# Altium PCB AT91-PCB.PcbDoc (part 1 of 3)
Units mm, origin at the board's own origin, x right, y up, seen from the top; angles counter-clockwise.
Board outline 112.5 x 92.7 mm, 2 copper layers (Top Layer, Bottom Layer), stack 1.671 mm thick; 226 components, 269 nets, 1126 pads, 364 vias.
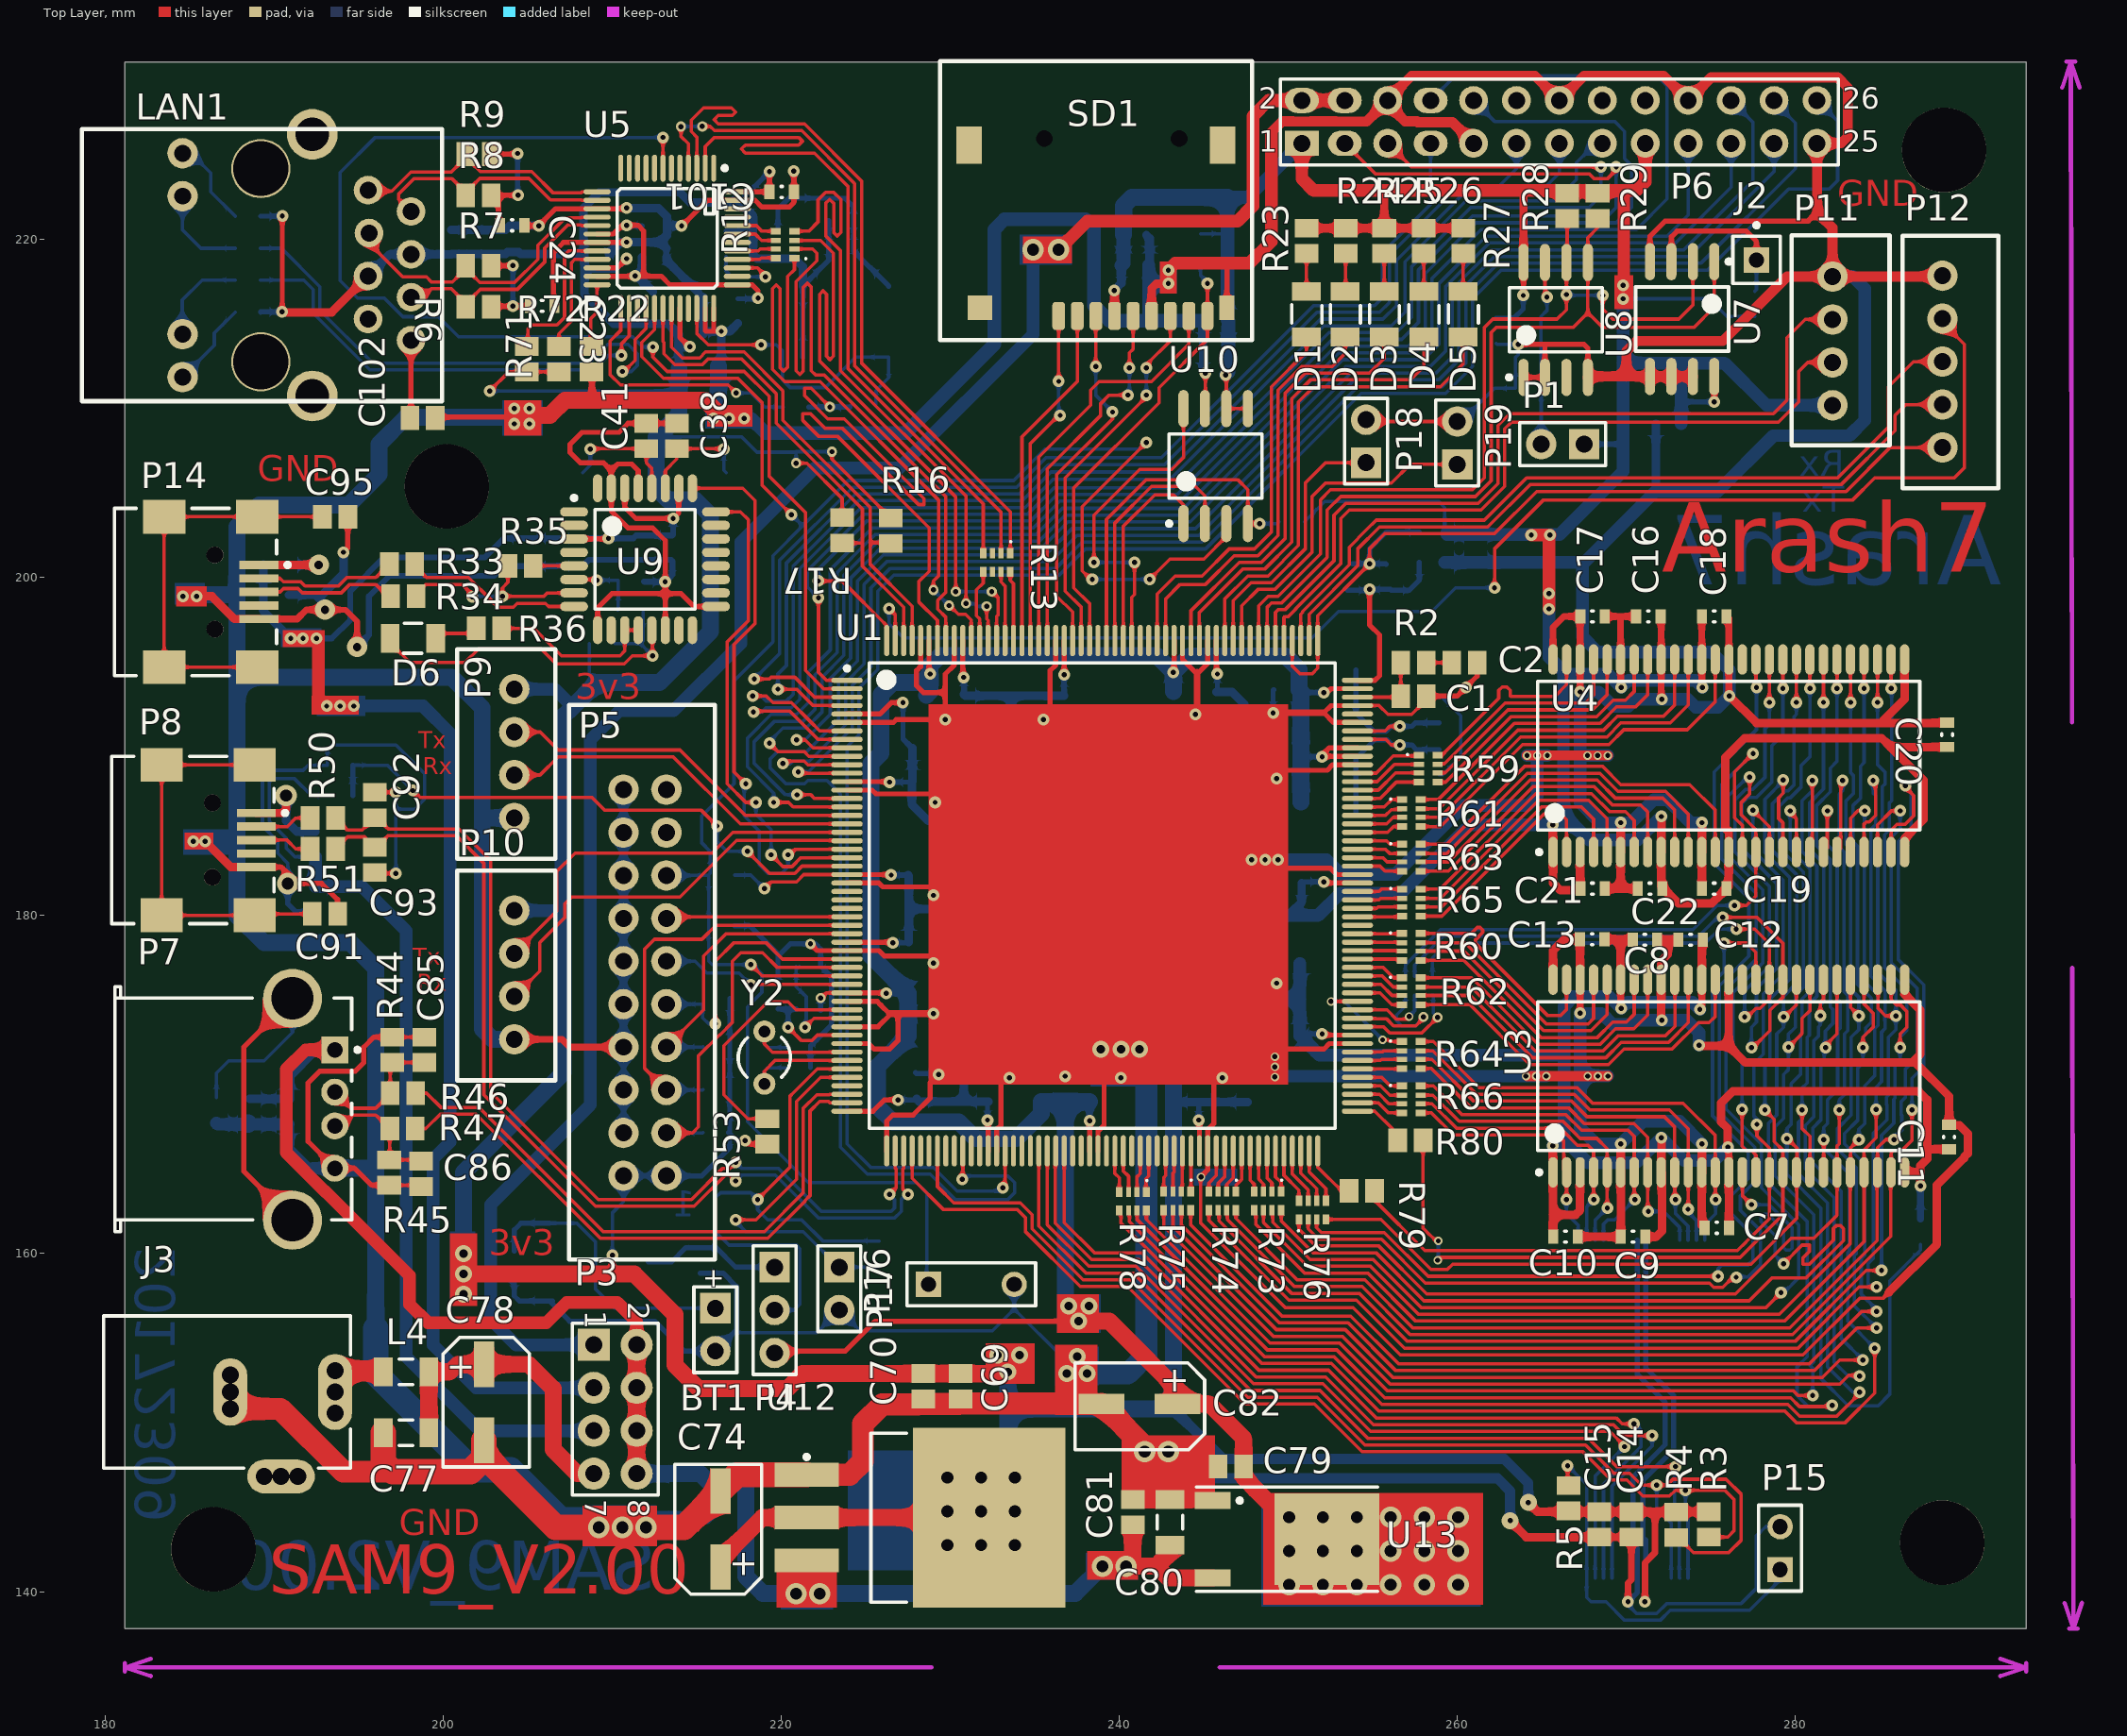
[diagram p0: Top Layer view]
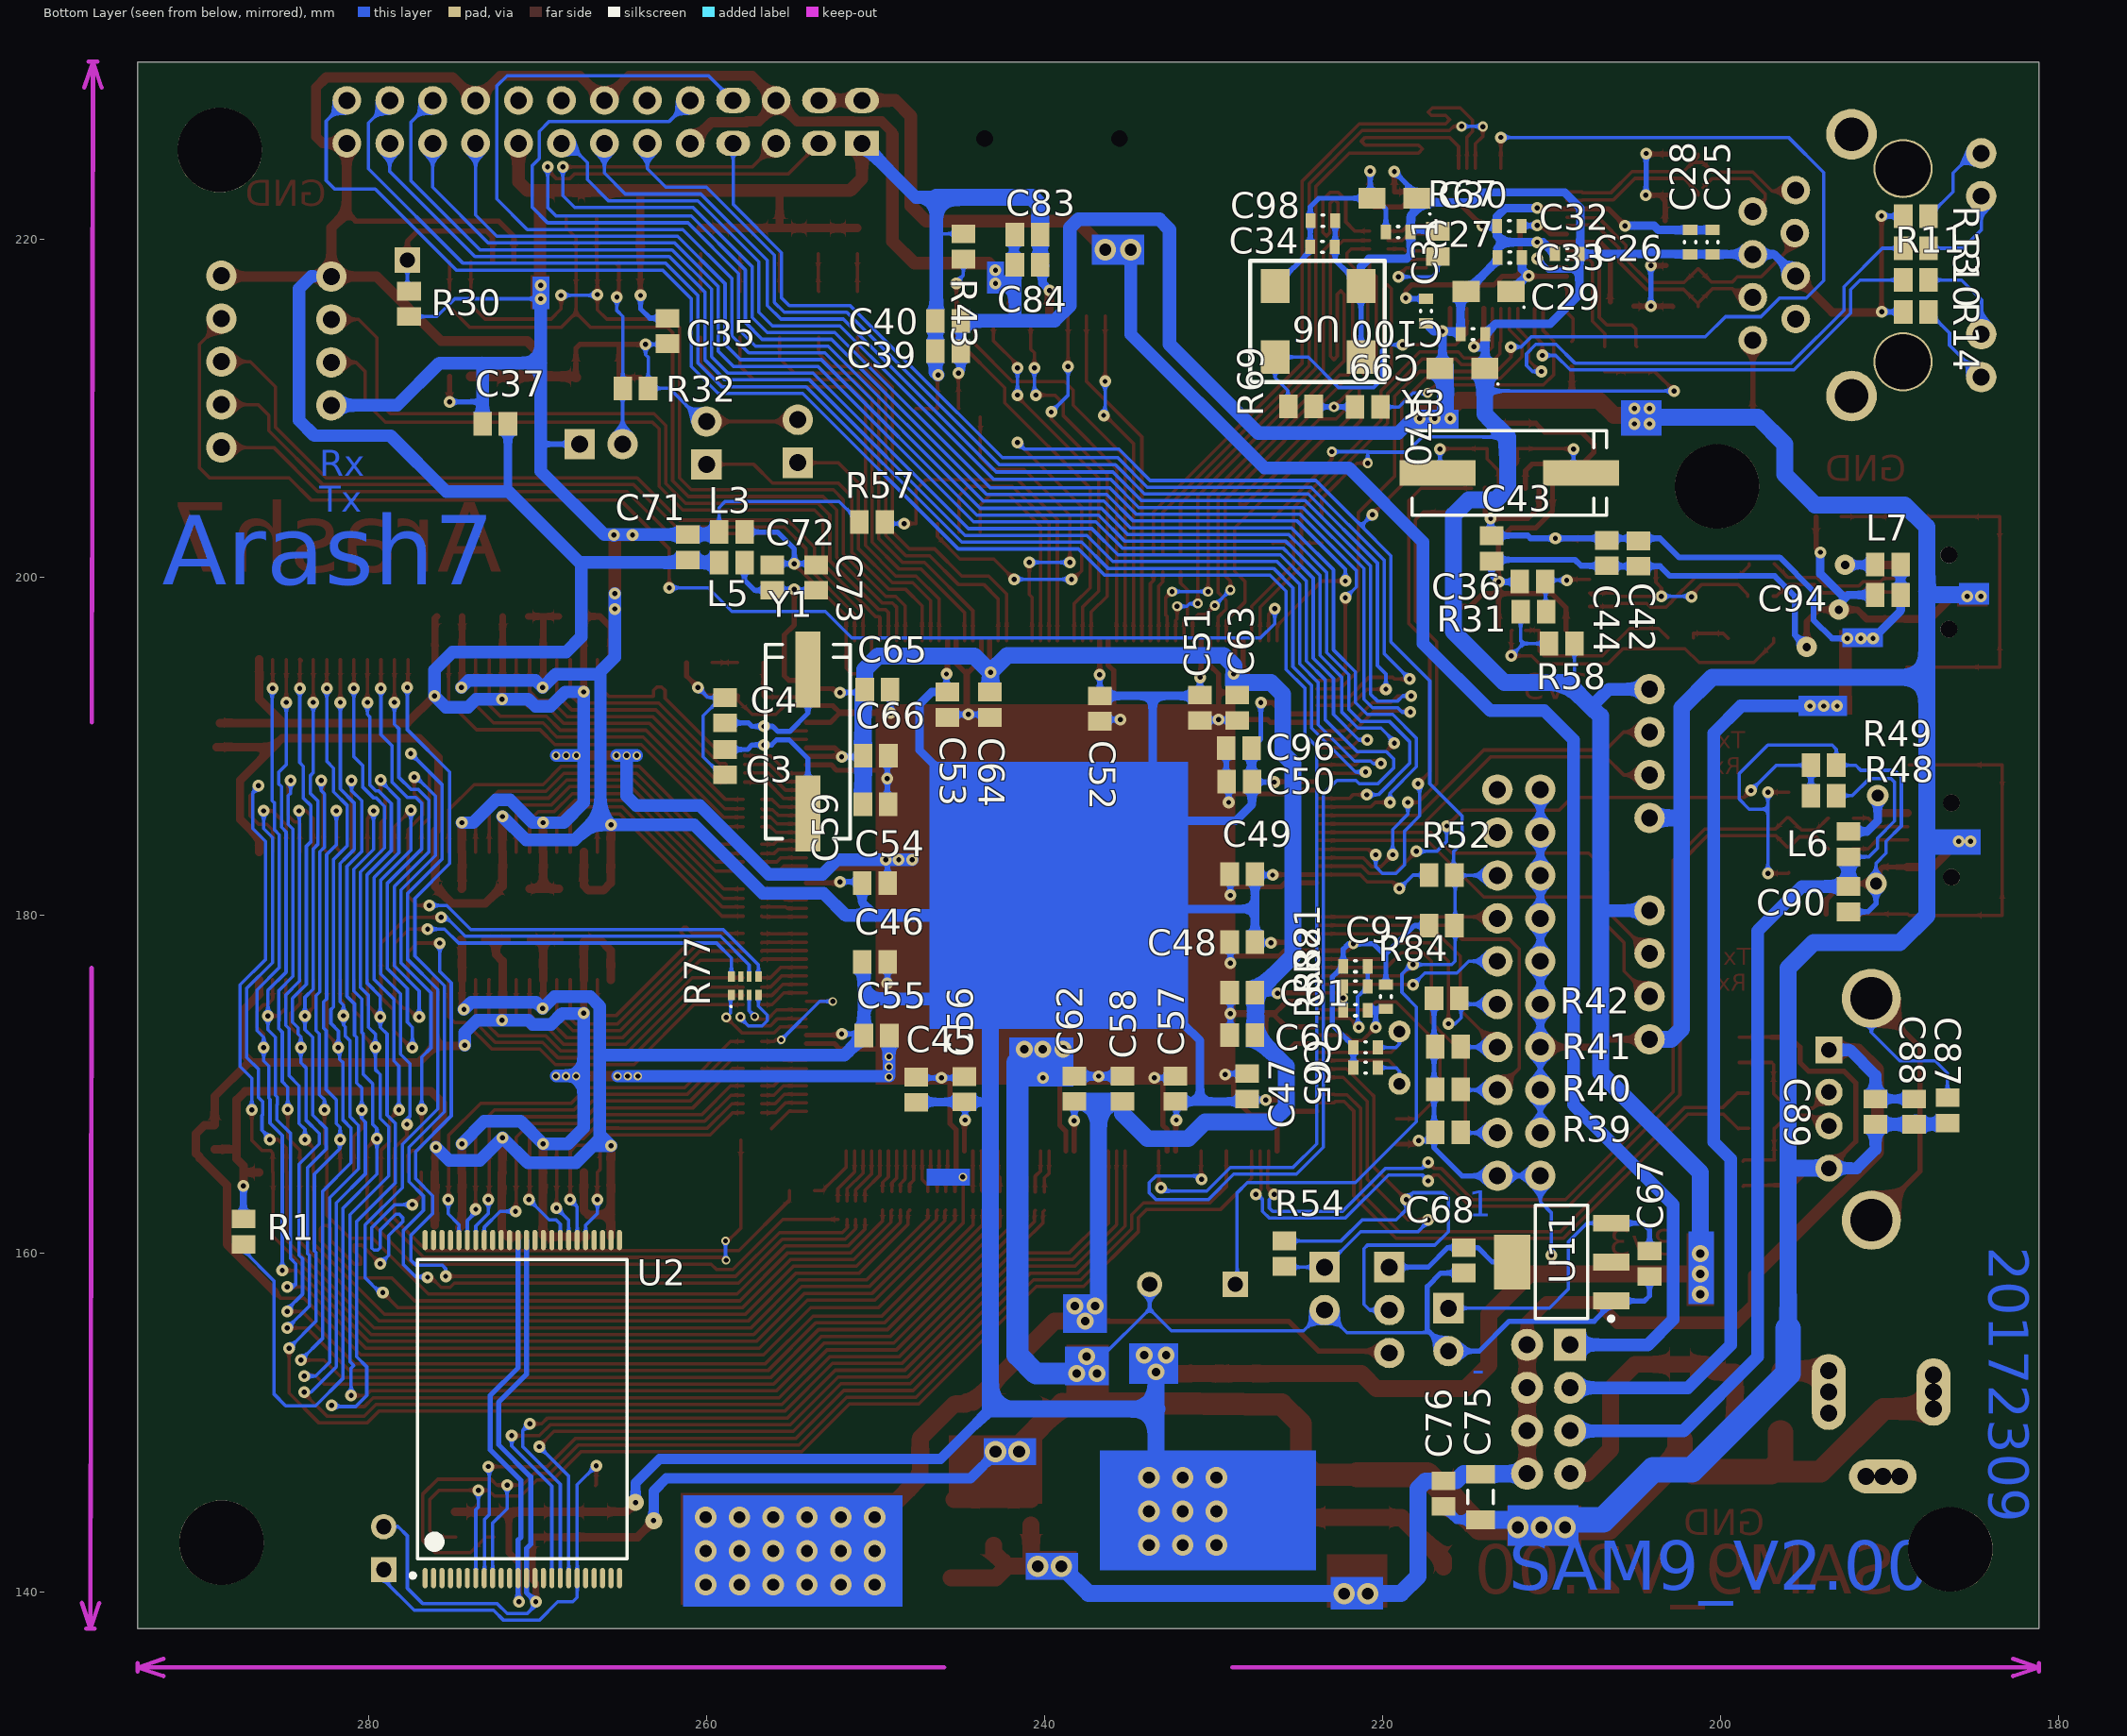
[diagram p1: Bottom Layer view, seen from below]

## Layer stack, top to bottom
Top Solder: solder mask 0.0102, Solder Resist, Dk 3.5
Top Layer: signal copper 0.0356
Dielectric 1: dielectric 1.6, FR-4, Dk 4.8
Bottom Layer: signal copper 0.0356
Bottom Solder: solder mask 0.0102, Solder Resist, Dk 3.5

## Board outline
181.153,137.795 293.649,137.795 293.649,230.5 181.153,230.5

## Design rules (kind name [scope] priority, off if disabled: settings)
Clearance [All] p1: gap=0.2
ComponentClearance [All] p1: gap=0.1 collisioncheckmode=3 verticalgap=0 showdistances=FALSE
DiffPairsRouting [All] p1: maxlimit=0.2 minlimit=0.2 mostfreqgap=0.2 toplayer_minwidth=0.2 toplayer_maxwidth=0.2 toplayer_prefwidth=0.2 bottomlayer_minwidth=0.2 bottomlayer_maxwidth=0.2 bottomlayer_prefwidth=0.2 maxuncoupledlength=12.7
MinimumSolderMaskSliver [All] p1: minsoldermaskwidth=0.1
PolygonConnect [All] p1: connectstyle=Relief reliefconductorwidth=0.254 reliefentries=4 polygonreliefangle="90 Angle" airgapwidth=0.254
RoutingVias [All] p1: holewidth=0.3 width=0.5 viastyle="Through Hole" minholewidth=0.3 minwidth=0.5 maxholewidth=0.3 maxwidth=1
SilkToSolderMaskClearance [IsPad] p1: minsilkscreentomaskgap=0 clearancetoexposedcopper=TRUE
SolderMaskExpansion [All] p1: expansion=0.102
Width [All] p1: maxlimit=2 minlimit=0.2 preferedwidth=0.2
26 further rules are at their usual default settings.

## Classes and differential pairs
net class DIF100: RX_N RX_P TX_N TX_P
component class Peripheral: C35 C36 C37 C38 C39 C40 C41 C42 C43 C44 C97 D1 D2 D3 D4 D5 D6 J2 P1 P16 P17 R23 R24 R25 R26 R27 R28 R29 R30 R31 R32 R33 R34 R35 R36 R54 R57 R58 R83 R84 U7 U8 U9 U10 Y3
component class Connector: C83 C84 C85 C86 C87 C88 C89 C90 C91 C92 C93 C94 C95 L6 L7 P5 P6 P7 P8 P9 P10 P11 P12 P14 P18 P19 R39 R40 R41 R42 R43 R44 R45 R46 R47 R48 R49 R50 R51 SD1
component class Core: C1 C2 C3 C4 C5 C6 R1 R2 R52 R53 R59 R60 R61 R62 R63 R64 R65 R66 R73 R74 R75 R76 R77 R78 R79 R80 R81 R82 U1 Y1 Y2
component class Memory: C7 C8 C9 C10 C11 C12 C13 C14 C15 C16 C17 C18 C19 C20 C21 C22 P15 R3 R4 R5 U2 U3 U4
component class Network: C23 C24 C25 C26 C27 C28 C29 C30 C31 C32 C33 C34 C98 C99 C100 C101 C102 LAN1 R6 R7 R8 R9 R10 R11 R12 R13 R14 R16 R17 R22 R67 R69 R70 R71 R72 U5 U6
component class Power: BT1 C45 C46 C47 C48 C49 C50 C51 C52 C53 C54 C55 C56 C57 C58 C59 C60 C61 C62 C63 C64 C65 C66 C67 C68 C69 C70 C71 C72 C73 C74 C75 C76 C77 C78 C79 C80 C81 C82 C96 J3 L3 L4 L5 P3 P4 U11 U12 U13
net class D[31..0]: D0 D1 D2 D3 D4 D5 D6 D7 D8 D9 D10 D11 D12 D13 D14 D15 D16 D17 D18 D19 D20 D21 D22 D23 D24 D25 D26 D27 D28 D29 D30 D31
net class A[24..0]: A0 A1 A2 A3 A4 A5 A6 A7 A8 A9 A10 A11 A12 A13 A14 A15 A16 A17 A18 A19 A20 A21 A22 A23 A24
net class Rx: NetR13_1 NetR13_2 NetR13_4
net class Tx: ERX0 ERX1 ERXDV ERXER
net class CLK: ETXCK
differential pair TX: +TX_P -TX_N
differential pair RX: +RX_P -RX_N
differential pair HD: +HD_P -HD_N
differential pair DD: +DD_P -DD_N
differential pair US: +US_P -US_N

## Components (designator, comment, footprint, x,y, rotation, side; value= is the part's Value field where it differs from the comment)
BT1 "Battery" BAT-2 216.1,155.5 r270 top
C1 "Cap" C0805 257.404,192.989 r0 top
C2 "Cap" C0805 260.426,194.97 r180 top
C3 "Cap" C0805 258.905,189.079 r90 bottom
C4 "Cap" C0805 258.905,192.153 r270 bottom
C5 "Cap" 0603PKG 221,171 r180 bottom
C6 "Cap" 0603PKG 221,172.2 r180 bottom
C7 "Cap" 0603PKG 275.35,161.525 r0 top
C8 "Cap" 0603PKG 271.1,178.575 r180 top
C9 "Cap" 0603PKG 270.4,161 r0 top
C10 "Cap" 0603PKG 266.4,161 r180 top
C11 "Cap" 0603PKG 289.1,166.9 r270 top
C12 "Cap" 0603PKG 273.8,178.575 r0 top
C13 "Cap" 0603PKG 267.975,178.6 r0 top
C14 "Cap" C0805 270.3,143.975 r90 top
C15 "Cap" C0805 268.4,143.975 r90 top
C16 "Cap" 0603PKG 271.3,197.7 r180 top
C17 "Cap" 0603PKG 268,197.7 r0 top
C18 "Cap" 0603PKG 275.2,197.7 r180 top
C19 "Cap" 0603PKG 275.2,181.6 r0 top
C20 "Cap" 0603PKG 288.975,190.7 r270 top
C21 "Cap" 0603PKG 268,181.6 r180 top
C22 "Cap" 0603PKG 271.4,181.6 r0 top
C23 "Cap" 0603PKG 205.85,216.075 r0 top
C24 "Cap" 0603PKG 204.075,220.85 r0 top
C25 "Cap" 0603PKG 200.475,219.85 r90 bottom
C26 "Cap" 0603PKG 209.075,219.15 r180 bottom
C27 "Cap" 0603PKG 219.075,220.45 r180 bottom
C28 "Cap" 0603PKG 201.8,219.85 r270 bottom
C29 "Cap Pol3" 3216X18N 213.725,216.925 r0 bottom
C30 "Cap Pol3" 3216X18N 219.3,222.45 r0 bottom
C31 "Cap" 0603PKG 217.425,215.775 r90 bottom
C32 "Cap" 0603PKG 212.5,220.8 r180 bottom
C33 "Cap" 0603PKG 212.475,218.95 r180 bottom
C34 "Cap" 0603PKG 223.55,219.575 r180 bottom
C35 "Cap" C0805 262.3,214.6 r90 bottom
C36 "Cap" C0805 211.125,199.775 r180 bottom
C37 "Cap" C0805 272.5,209.1 r0 bottom
C38 "Cap" C0805 213.817,208.382 r90 top
C39 "Cap" C0805 245.7,213.4 r0 bottom
C40 "Cap" C0805 245.7,215.2 r0 bottom
C41 "Cap" C0805 212.014,208.382 r90 top
C42 "Cap" C0805 204.85,201.425 r90 bottom
C43 "Cap" C0805 213.55,201.725 r90 bottom
C44 "Cap" C0805 206.725,201.45 r90 bottom
C45 "Cap" C0805 247.6,169.7 r270 bottom
C46 "Cap" C0805 250.038,177.267 r0 bottom
C47 "Cap" C0805 228,169.9 r270 bottom
C48 "Cap" C0805 228.295,178.435 r180 bottom
C49 "Cap" C0805 228.295,182.448 r180 bottom
C50 "Cap" C0805 228.473,187.935 r180 bottom
C51 "Cap" C0805 230.8,192.3 r90 bottom
C52 "Cap" C0805 236.728,192.253 r90 bottom
C53 "Cap" C0805 245.745,192.481 r90 bottom
C54 "Cap" C0805 250.038,181.915 r0 bottom
C55 "Cap" C0805 249.936,172.898 r0 bottom
C56 "Cap" C0805 244.729,169.723 r270 bottom
C57 "Cap" C0805 232.258,169.748 r270 bottom
C58 "Cap" C0805 235.382,169.748 r270 bottom
C59 "Cap" C0805 250,186.6 r0 bottom
C60 "Cap" C0805 228.295,172.923 r180 bottom
C61 "Cap" C0805 228.295,175.438 r180 bottom
C62 "Cap" C0805 238.227,169.748 r270 bottom
C63 "Cap" C0805 228.6,192.3 r90 bottom
C64 "Cap" C0805 243.23,192.481 r90 bottom
C65 "Cap" C0805 249.885,193.37 r0 bottom
C66 "Cap" C0805 249.987,189.459 r0 bottom
C67 "Cap" C0805 204.2,159.4 r90 bottom
C68 "Cap" C0805 215.2,159.6 r90 bottom
C69 "Cap" C0805 230.6,152.15 r90 top
C70 "Cap" C0805 228.4,152.15 r90 top
C71 "Cap" C0805 261.1,201.8 r90 bottom
C72 "Cap" C0805 256.1,200 r90 bottom
C73 "Cap" C0805 253.5,200 r90 bottom
C74 "Capacitor" Capacitor 216.5,143.7 r270 top
C75 "Cap" C1206 214.2,145.6 r90 bottom
C76 "Cap" C0805 216.4,145.8 r90 bottom
C77 "Cap" C1206 197.8,149.4 r0 top
C78 "Capacitor" Capacitor 202.3,151.2 r90 top
C79 "Cap" C0805 246.6,147.4 r0 top
C80 "Cap" C1206 243,144.1 r270 top
C81 "Cap" C0805 240.8,144.7 r270 top
C82 "Capacitor" Capacitor 241.2,151.2 r0 top
C83 "Cap" C0805 241,220.3 r180 bottom
C84 "Cap" C0805 241,218.5 r180 bottom
C85 "Cap" C0805 198.882,172.06 r90 top
C86 "Cap" C0805 198.679,164.719 r270 top
C87 "Cap" C0805 186.575,168.475 r90 bottom
C88 "Cap" C0805 188.544,168.402 r90 bottom
C89 "Cap" C0805 190.83,168.402 r90 bottom
C90 "Cap" C0805 192.43,180.975 r90 bottom
C91 "Cap" C0805 193,180.1 r180 top
C92 "Cap" C0805 195.95,186.55 r270 top
C93 "Cap" C0805 195.95,183.3 r90 top
C94 "Cap" C0805 190.1,198.975 r180 bottom
C95 "Cap" C0805 193.6,203.6 r180 top
C96 "Cap" C0805 228.5,189.9 r180 bottom
C97 "Cap" C0805 216.5,179.4 r180 bottom
C98 "Cap" 0603PKG 223.525,221.125 r180 bottom
C99 "Cap Pol3" 3216X18N 215.275,212.375 r0 bottom
C100 "Cap" 0603PKG 214.65,214.4 r180 bottom
C101 "Cap" 0603PKG 220.025,222.825 r180 top
C102 "Cap" C0805 198.775,209.45 r180 top
D1 "LED0" SMD_LED_1206 251.077,215.586 r270 top
D2 "LED0" SMD_LED_1206 253.363,215.586 r270 top
D3 "LED0" SMD_LED_1206 255.674,215.586 r270 top
D4 "LED0" SMD_LED_1206 258.011,215.586 r270 top
D5 "LED0" SMD_LED_1206 260.348,215.586 r270 top
D6 "LED0" SMD_LED_1206 198.2,196.4 r0 top
J2 "Socket" PIN1 277.7,218.8 r0 top
J3 "PWR2.5" DC_jack 190.5,149.936 r0 top
L3 "Ferrite Bead" C0805 258.5,202.7 r180 bottom
L4 "Ferrite Bead" C1206 197.8,153 r0 top
L5 "Inductor" C0805 258.5,200.9 r0 bottom
L6 "Ferrite Bead" C0805 192.43,184.226 r90 bottom
L7 "Ferrite Bead" C0805 190.1,200.775 r0 bottom
LAN1 "Ethernet RJ45" RJ45 191.287,218.948 r180 top locked
P1 "WP" HDR1X2#1 267.5,207.9 r180 top
P3 "PWR-SEL" HDR2X4 208.9,154.6 r270 top
P4 "BU-SEL" HDR1X3#1 219.6,159.2 r270 top
P5 "JTAG" IDC_2X10 213.2,164.6 r90 top
P6 "Rpi" HDR2X13 250.8,225.7 r0 top
P7 "USB Host" USB_Female 190.678,168.478 r180 top locked
P8 "USB Device" "Mini USB" 185.572,184.683 r180 top locked
P9 "UART" XH_4pin 204.2,193.4 r270 top
P10 "UART" XH_4pin 204.2,180.3 r270 top
P11 "UART" XH_4pin 282.2,210.2 r90 top
P12 "Analog" XH_5pin 288.7,207.7 r90 top
P14 "USB Serial" "Mini USB" 185.725,199.365 r180 top locked
P15 "WP" HDR1X2#2 279.1,141.3 r90 top
P16 "WakeUp" HDR1X2#1 223.43,159.2 r270 top
P17 "RST" HDR1X3#2 228.7,158.175 r0 top
P18 "Key" HDR1X2#1 254.6,206.8 r90 top
P19 "Key" HDR1X2#1 260,206.7 r90 top
R1 "Res Semi" C0805 287.4,161.3 r270 bottom
R2 "Res Semi" C0805 257.404,194.97 r180 top
R3 "Res Semi" C0805 274.875,143.975 r270 top
R4 "Res Semi" C0805 272.95,143.95 r270 top
R5 "Res Semi" C0805 266.575,145.525 r90 top
R6 "Res Semi" C0805 202.08,216.03 r0 top
R7 "Res Semi" C0805 202.08,218.46 r0 top
R8 "Res Semi" C0805 202.08,222.62 r0 top
R9 "Res Semi" C0805 202.08,225.06 r0 top
R10 "Res Semi" C0805 188.44,219.49 r180 bottom
R11 "Res Semi" C0805 188.44,217.61 r180 bottom
R12 "ChipArray_4x" CAC-50P205X105-8M 220.225,219.7 r180 top
R13 "ChipArray_4x" CAC-50P205X105-8M 232.75,200.9 r270 top
R13 "Res Semi" C0805 188.44,221.39 r180 bottom
R14 "Res Semi" C0805 188.44,215.71 r180 bottom
R16 "Res Semi" C0805 226.475,202.775 r90 top
R17 "Res Semi" C0805 223.6,202.8 r270 top
R22 "Res Semi" C0805 208.775,212.925 r90 top
R23 "Res Semi" C0805 251.077,219.929 r90 top
R24 "Res Semi" C0805 253.388,219.929 r90 top
R25 "Res Semi" C0805 255.674,219.929 r90 top
R26 "Res Semi" C0805 258.011,219.929 r90 top
R27 "Res Semi" C0805 260.348,219.929 r90 top
R28 "Res Semi" C0805 266.5,222 r270 top
R29 "Res Semi" C0805 268.3,222 r270 top
R30 "Res Semi" C0805 277.6,216.2 r90 bottom
R31 "Res Semi" C0805 211.075,197.975 r180 bottom
R32 "Res Semi" C0805 264.2,211.2 r0 bottom
R33 "Res Semi" C0805 197.561,200.812 r180 top
R34 "Res Semi" C0805 197.637,198.907 r180 top
R35 "Res Semi" C0805 204.575,200.7 r180 top
R36 "Res Semi" C0805 202.7,197 r0 top
R39 "Res Semi" C0805 216.129,167.167 r180 bottom
R40 "Res Semi" C0805 216.129,169.707 r180 bottom
R41 "Res Semi" C0805 216.129,172.247 r180 bottom
R42 "Res Semi" C0805 216.2,175.1 r180 bottom
R43 "Res Semi" C0805 244.8,219.6 r270 bottom
R44 "Res Semi" C0805 196.977,172.06 r270 top
R45 "Res Semi" C0805 196.799,164.795 r90 top
R46 "Res Semi" C0805 197.612,169.494 r180 top
R47 "Res Semi" C0805 197.587,167.411 r180 top
R48 "Res Semi" C0805 193.9,187.1 r0 bottom
R49 "Res Semi" C0805 193.9,188.9 r180 bottom
R50 "Res Semi" C0805 192.875,185.775 r180 top
R51 "Res Semi" C0805 192.875,183.95 r180 top
R52 "Res1" C0805 216.5,182.4 r0 bottom
R53 "Res1" C0805 219.17,167.23 r270 top
R54 "Res1" C0805 225.8,160 r90 bottom
R57 "Res1" C0805 250.2,203.3 r180 bottom
R58 "Res Semi" C0805 209.4,196.1 r180 bottom
R59 "ChipArray_4x" CAC-50P205X105-8M 258.28,188.7 r0 top
R60 "ChipArray_4x" CAC-50P205X105-8M 257.275,178.15 r0 top
R61 "ChipArray_4x" CAC-50P205X105-8M 257.28,186.07 r0 top
R62 "ChipArray_4x" CAC-50P205X105-8M 257.275,175.525 r0 top
R63 "ChipArray_4x" CAC-50P205X105-8M 257.28,183.43 r0 top
R64 "ChipArray_4x" CAC-50P205X105-8M 257.275,171.75 r0 top
R65 "ChipArray_4x" CAC-50P205X105-8M 257.28,180.77 r0 top
R66 "ChipArray_4x" CAC-50P205X105-8M 257.275,169.125 r0 top
R67 "Res Semi" C0805 216.725,219.75 r90 bottom
R69 "Res Semi" C0805 224.825,210.125 r0 bottom
R70 "Res Semi" C0805 220.875,210.1 r180 bottom
R71 "Res Semi" C0805 206.85,212.925 r90 top
R72 "Res Semi" C0805 204.95,212.925 r90 top
R73 "ChipArray_4x" CAC-50P205X105-8M 248.78,163.12 r270 top
R74 "ChipArray_4x" CAC-50P205X105-8M 246.1,163.12 r270 top
R75 "ChipArray_4x" CAC-50P205X105-8M 243.425,163.125 r270 top
R76 "ChipArray_4x" CAC-50P205X105-8M 251.425,162.575 r90 top
R77 "ChipArray_4x" CAC-50P205X105-8M 257.725,175.85 r90 bottom
R78 "ChipArray_4x" CAC-50P205X105-8M 240.8,163.1 r270 top
R79 "Res Semi" C0805 254.35,163.725 r0 top
R80 "Res Semi" C0805 257.225,166.7 r0 top
R81 "Res Semi" 0603PKG 221.6,177 r0 bottom
R82 "Res Semi" 0603PKG 221.6,175.8 r0 bottom
R83 "Res Semi" 0603PKG 221.6,174.4 r0 bottom
R84 "Res Semi" 0603PKG 219.8,175.2 r90 bottom
SD1 "SD card holder" "MicroSD socket" 238.615,225.982 r180 top locked
U1 "AT91SAM9260-QU" SQFP50P3122X3122X245-208N 238.989,181.178 r0 top locked
U2 "NAND FLASH" TSSOP-48 270.9,150.8 r90 bottom
U3 "SDRAM" TSOP54_Pin 276.064,170.51 r90 top locked
U4 "SDRAM" TSOP54_Pin 276.064,189.459 r90 top locked
U5 "DP83848C" LQFP48 213.25,220.08 r270 top locked
U6 "Oscillator" Crystal5x7 221.275,213.05 r0 bottom
U7 "LM75CIMMX-5/NOPB" SSOP8 273.3,215.3 r270 top
U8 "AT24C512" SSOP8 265.82,215.249 r90 top
U9 "FT232BL" LQFP-32_N 211.938,201.092 r0 top
U10 "AT24DB321" SSOP8 245.7,206.6 r90 top
U11 "AMS1117-1v8" SOT223 209.4,159.5 r0 bottom
U12 "FAN1086M33" TO263 227.95,144.375 r0 top locked
U13 "AMS1117-1v8" LF33-TO-252 248.9,143.1 r270 top
Y1 "XTAL" SMD_Crystal 254,190.3 r270 bottom
Y2 "XTAL" R38 219,171.6 r180 top
Y3 "XTAL" SMD_Crystal 212.5,206.2 r0 bottom

## Footprints (in the part's own frame and the unit in brackets; to place one, negate y for a bottom-side part, rotate by r counter-clockwise, add the part's x,y. Pads: shape width x height; smd on the part's side, far side on the other; paste and mask are expansions set on the pad)
0603PKG [mm] "Chip Resistor, 2-Leads, Body 1.60x0.78mm, IPC Medium Density"
  rect 0.6x0.85 smd: 1(-0.725,0) 2(0.725,0)
  silkscreen extent -0.05,-0.33 0.05,0.33, body extent -0.8,-0.4 0.8,0.4, height 0.5
3216X18N [mm] "Molded Capacitor, 2-Leads, Body 3.20x1.60mm, IPC Medium Density"
  rect 1.6x1.25 smd: 1(-1.325,0) 2(1.325,0)
  silkscreen extent -2.15,0.88 -2.05,0.97, body extent -1.65,-0.85 1.75,0.95, height 1.7
BAT-2 [mm] "Battery; 2 Leads"
  rect 1.8x1.8 hole 1: 1(-1.27,0)
  round 1.8 hole 1: 2(1.27,0)
  silkscreen extent -2.54,-1.27 2.54,1.27
C0805 [mm] "Chip Capacitor, Body 2.0x1.3mm, IPC High Density"
  rect 1.1x1.4 smd: 1(-0.75,0) 2(0.75,0)
  body extent -1.1,-0.72 1.1,0.72, height 1.4
C1206 [mm] "Chip Capacitor, Body 3.2x1.6mm, IPC High Density"
  rect 1.1x1.7 smd: 1(-1.35,0) 2(1.35,0)
  silkscreen extent -0.4,-0.75 0.4,0.75, body extent -1.7,-0.9 1.7,0.9, height 1.3
CAC-50P205X105-8M [mm] "Chip Array, ConvexS, 8-Leads, Pitch 0.50mm,  Body 2.05x1.05mm,  IPC Low Density"
  rect 0.6x0.4 smd: 1(-0.55,0.8) 4(-0.55,-0.8) 5(0.55,-0.8) 8(0.55,0.8)
  rect 0.6x0.3 smd: 2(-0.55,0.25) 3(-0.55,-0.25) 6(0.55,-0.25) 7(0.55,0.25)
  silkscreen extent -1.27,0.78 -1.18,0.87, body extent -0.5,-1 0.5,1, height 0.45
Capacitor [mm] "SMD electrolite capacitor"
  rect 2.7x1.2 smd: 1(-2.25,-0.1) 2(2.25,-0.1)
  silkscreen extent -3.83,-2.8 3.85,2.32
Crystal5x7 [mm]
  rect 1.7x2 smd: 1(0,-4.2) 2(5.08,-4.2) 3(5.08,0) 4(0,0)
  silkscreen extent -1.4,-5.7 6.55,1.48
DC_jack [mm]
  oval 2x4.5 all layers, no hole: 1(3.1,1.875)
  round 1.5 hole 1: 1A(3.1,0.625) 1B(3.1,3.125) 2A(-3.1,0.875) 2B(-3.1,2.875) 3A(-1.1,-3.125) 3B(0.9,-3.125)
  oval 2x4 all layers, no hole: 2(-3.1,1.875)
  oval 4x2 all layers, no hole: 3(-0.1,-3.125)
  silkscreen extent -10.6,-2.63 4,6.38, body extent -10.72,-3.22 3.78,6.58, height 11
HDR1X2#1 [mm] "Connector; Header; 2 Position"
  rect 1.8x1.8 hole 1: 1(0,0)
  round 1.8 hole 1: 2(2.54,0)
  silkscreen extent -1.27,-1.27 3.81,1.27
HDR1X2#2 [mm] "Connector; Header; 2 Position"
  rect 1.5x1.5 hole 0.9: 1(0,0)
  round 1.5 hole 0.9: 2(2.54,0)
  silkscreen extent -1.27,-1.27 3.81,1.27
HDR1X3#1 [mm] "Connector; Header; 3 Position"
  rect 1.8x1.8 hole 1: 1(0,0)
  round 1.8 hole 1: 2(2.54,0) 3(5.08,0)
  silkscreen extent -1.27,-1.27 6.35,1.27
HDR1X3#2 [mm] "Connector; Header; 3 Position"
  rect 1.5x1.5 hole 0.9: 1(0,0)
  round 0 all layers, no hole: 2(2.54,0)
  round 1.5 hole 0.9: 3(5.08,0)
  silkscreen extent -1.27,-1.27 6.35,1.27
HDR2X4 [mm] "Connector; Header; 4x2 Position"
  rect 1.9x1.9 hole 1: 1(0,0)
  round 1.9 hole 1: 2(0,2.54) 3(2.54,0) 4(2.54,2.54) 5(5.08,0) 6(5.08,2.54) 7(7.62,0) 8(7.62,2.54)
  silkscreen extent -1.27,-1.27 8.89,3.81
HDR2X13 [mm] "Connector; Header; 13x2 Position"
  rect 2x1.5 hole 1: 1(0,0)
  oval 2x1.5 hole 1: 2(0,2.54) 3(2.54,0) 4(2.54,2.54) 7(7.62,0) 8(7.62,2.54)
  round 1.7 hole 1: 5(5.08,0) 6(5.08,2.54) 9(10.16,0) 10(10.16,2.54) 11(12.7,0) 12(12.7,2.54) 13(15.24,0) 14(15.24,2.54) 15(17.78,0) 16(17.78,2.54) 17(20.32,0) 18(20.32,2.54) 19(22.86,0) 20(22.86,2.54) 21(25.4,0) 22(25.4,2.54) 23(27.94,0) 24(27.94,2.54) 25(30.48,0) 26(30.48,2.54)
  silkscreen extent -1.27,-1.27 31.75,3.81
IDC_2X10 [mm]
  round 1.8 hole 1: 1(0,0) 2(0,2.54) 3(2.54,0) 4(2.54,2.54) 5(5.08,0) 6(5.08,2.54) 7(7.62,0) 8(7.62,2.54) 9(10.16,0) 10(10.16,2.54) 11(12.7,0) 12(12.7,2.54) 13(15.24,0) 14(15.24,2.54) 15(17.78,0) 16(17.78,2.54) 17(20.32,0) 18(20.32,2.54) 19(22.86,0) 20(22.86,2.54)